# Altium PCB QCopterMV__Pcb.PcbDoc (continued)
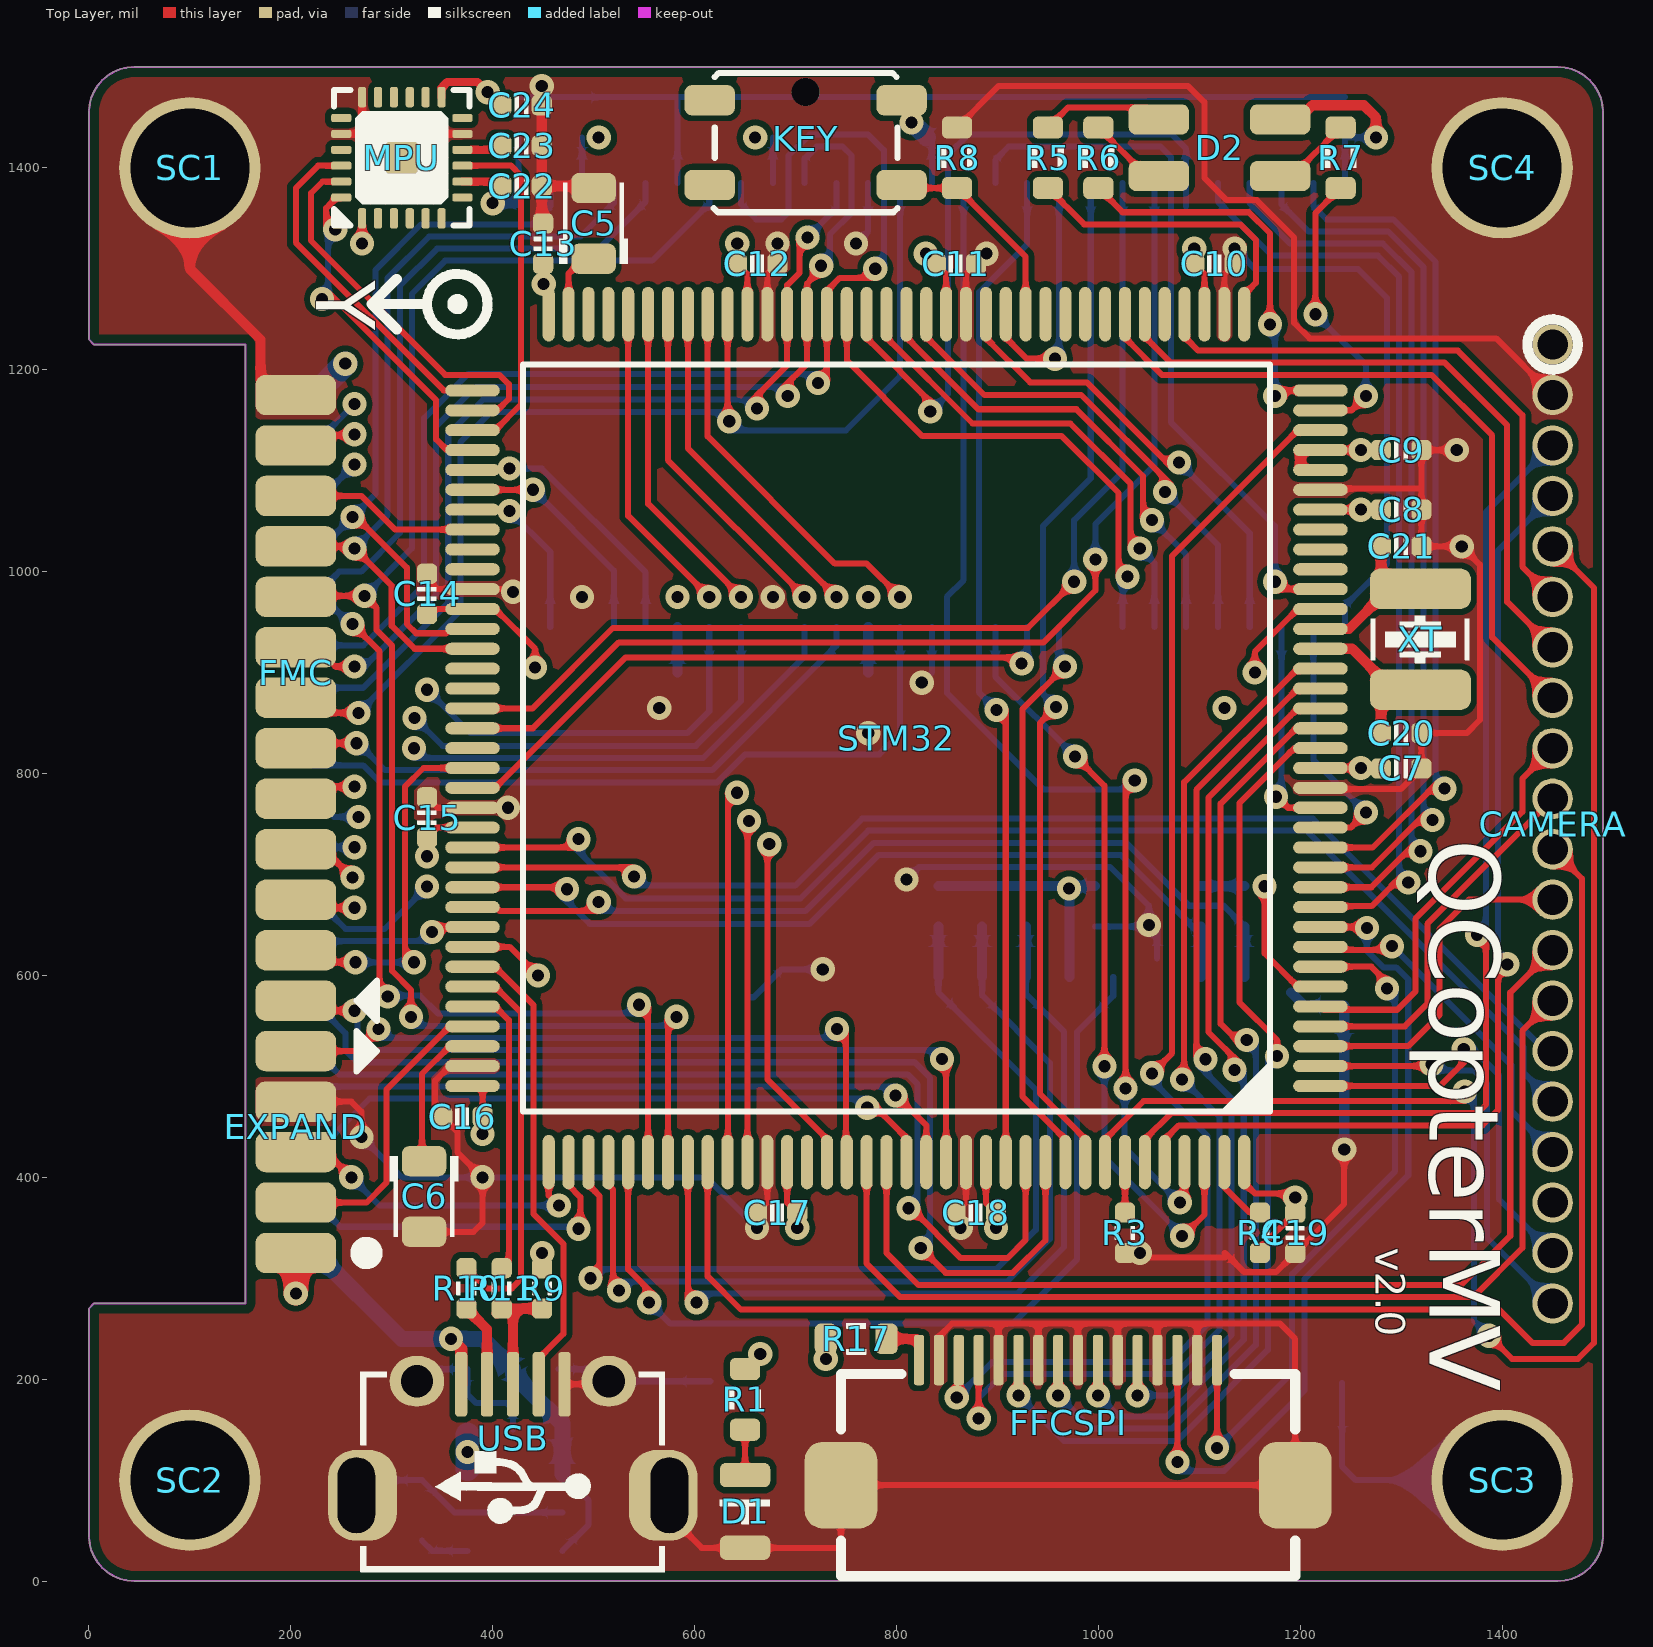
[diagram p0: Top Layer view]
## Footprints (in the part's own frame and the unit in brackets; to place one, negate y for a bottom-side part, rotate by r counter-clockwise, add the part's x,y. Pads: shape width x height; smd on the part's side, far side on the other; paste and mask are expansions set on the pad)
ButtonTACT_3.5*3.55_90 [mil]
  round 27.56 hole 27.56 mask+0: 0(0,50)
  rrect50% 50x30 smd: 1(-95,42) 2(-95,-42) 3(95,42) 4(95,-42)
  silkscreen extent -91,-69 91,69, body extent -90,-55 91,85, height 56
CAP_0402 [mil]
  rrect50% 20x20 smd: 1(-20,0) 2(20,0)
  silkscreen extent -7,-9 7,9, body extent -20,-10 20,10, height 20
CAP_0603 [mil]
  rrect50% 22x30 smd: 1(-30,0) 2(30,0)
  silkscreen extent -10,-15 10,15, body extent -31,-16 31,16, height 31
CAP_TAN_P0805 [mil]
  rrect50% 30x44 smd: 1(-35,0) 2(35,0)
  silkscreen extent -40,-34 40,34, body extent -40,-27 40,27, height 59
FFC_0.5_16 [mil]
  rrect50% 72x86 smd: 0(-225,-60) 0(225,-60)
  rrect50% 10x50 smd: 1(-147.64,64) 2(-127.95,64) 3(-108.27,64) 4(-88.58,64) 5(-68.9,64) 6(-49.21,64) 7(-29.53,64) 8(-9.84,64) 9(9.84,64) 10(29.53,64) 11(49.21,64) 12(68.9,64) 13(88.58,64) 14(108.27,64) 15(127.95,64) 16(147.64,64)
  silkscreen extent -225,-150 225,50, body extent -266,-155 266,55, height 82
HDR1X20_1.27_180F [mil]
  round 40 hole 30: 1(0,0) 2(0,-50) 3(0,-100) 4(0,-150) 5(0,-200) 6(0,-250) 7(0,-300) 8(0,-350) 9(0,-400) 10(0,-450) 11(0,-500) 12(0,-550) 13(0,-600) 14(0,-650) 15(0,-700) 16(0,-750) 17(0,-800) 18(0,-850) 19(-0.01,-900) 20(-0.01,-950)
  body extent -36,-983 35,33, height 134
HDR2X6_1.27_180HF [mil]
  rrect50% 80x40 smd: 1(0,0) 3(0,-50) 5(0,-100) 7(0,-150) 9(0,-200) 11(0,-250)
  rrect50% 80x40 smd far side: 2(0,0) 4(0,-50) 6(0,-100) 8(0,-150) 10(0,-200) 12(0,-250)
  body extent -28,-283 200,33, height 39
HDR2X12_1.27_180HF [mil]
  rrect50% 80x40 smd: 1(0,0) 3(0,-50) 5(0,-100) 7(0,-150) 9(0,-200) 11(0,-250) 13(0,-300) 15(0,-350) 17(0,-400) 19(0,-450) 21(0,-500) 23(0,-550)
  rrect50% 80x40 smd far side: 2(0,0) 4(0,-50) 6(0,-100) 8(0,-150) 10(0,-200) 12(0,-250) 14(0,-300) 16(0,-350) 18(0,-400) 20(0,-450) 22(0,-500) 24(0,-550)
  body extent -28,-583 200,33, height 39
LED_0805_ORANGE [mil]
  rrect50% 24x50 smd: 1(-36,0) 2(36,0)
  silkscreen extent -11,-25 12,24, body extent -40,-25 40,25, height 43
LED_3528_RGB [mil]
  rrect50% 60x30 smd: 1(-60,28) 2(60,28) 3(-60,-28) 4(60,-28)
  body extent -69,-55 69,55, height 75
LQFP_P0.5_144 [mil]
  oval 54x12 smd: 1(-420,344.49) 2(-420,324.8) 3(-420,305.12) 4(-420,285.43) 5(-420,265.75) 6(-420,246.06) 7(-420,226.38) 8(-420,206.69) 9(-420,187.01) 10(-420,167.32) 11(-420,147.64) 12(-420,127.95) 13(-420,108.27) 14(-420,88.58) 15(-420,68.9) 16(-420,49.21) 17(-420,29.53) 18(-420,9.84) 19(-420,-9.84) 20(-420,-29.53) 21(-420,-49.21) 22(-420,-68.9) 23(-420,-88.58) 24(-420,-108.27) 25(-420,-127.95) 26(-420,-147.64) 27(-420,-167.32) 28(-420,-187.01) 29(-420,-206.69) 30(-420,-226.38) 31(-420,-246.06) 32(-420,-265.75) 33(-420,-285.43) 34(-420,-305.12) 35(-420,-324.8) 36(-420,-344.49) 73(420,-344.49) 74(420,-324.8) 75(420,-305.12) 76(420,-285.43) 77(420,-265.75) 78(420,-246.06) 79(420,-226.38) 80(420,-206.69) 81(420,-187.01) 82(420,-167.32) 83(420,-147.64) 84(420,-127.95) 85(420,-108.27) 86(420,-88.58) 87(420,-68.9) 88(420,-49.21) 89(420,-29.53) 90(420,-9.84) 91(420,9.84) 92(420,29.53) 93(420,49.21) 94(420,68.9) 95(420,88.58) 96(420,108.27) 97(420,127.95) 98(420,147.64) 99(420,167.32) 100(420,187.01) 101(420,206.69) 102(420,226.38) 103(420,246.06) 104(420,265.75) 105(420,285.43) 106(420,305.12) 107(420,324.8) 108(420,344.49)
  oval 12x54 smd: 37(-344.49,-420) 38(-324.8,-420) 39(-305.12,-420) 40(-285.43,-420) 41(-265.75,-420) 42(-246.06,-420) 43(-226.38,-420) 44(-206.69,-420) 45(-187.01,-420) 46(-167.32,-420) 47(-147.64,-420) 48(-127.95,-420) 49(-108.27,-420) 50(-88.58,-420) 51(-68.9,-420) 52(-49.21,-420) 53(-29.53,-420) 54(-9.84,-420) 55(9.84,-420) 56(29.53,-420) 57(49.21,-420) 58(68.9,-420) 59(88.58,-420) 60(108.27,-420) 61(127.95,-420) 62(147.64,-420) 63(167.32,-420) 64(187.01,-420) 65(206.69,-420) 66(226.38,-420) 67(246.06,-420) 68(265.75,-420) 69(285.43,-420) 70(305.12,-420) 71(324.8,-420) 72(344.49,-420) 109(344.49,420) 110(324.8,420) 111(305.12,420) 112(285.43,420) 113(265.75,420) 114(246.06,420) 115(226.38,420) 116(206.69,420) 117(187.01,420) 118(167.32,420) 119(147.64,420) 120(127.95,420) 121(108.27,420) 122(88.58,420) 123(68.9,420) 124(49.21,420) 125(29.53,420) 126(9.84,420) 127(-9.84,420) 128(-29.53,420) 129(-49.21,420) 130(-68.9,420) 131(-88.58,420) 132(-108.27,420) 133(-127.95,420) 134(-147.64,420) 135(-167.32,420) 136(-187.01,420) 137(-206.69,420) 138(-226.38,420) 139(-246.06,420) 140(-265.75,420) 141(-285.43,420) 142(-305.12,420) 143(-324.8,420) 144(-344.49,420)
  silkscreen extent -370,-370 370,370, body extent -433,-433 433,433, height 63
QFN_P0.4_24 [mil]
  rrect20% 32x32 smd: 0(0,0)
  rrect50% 20x8 smd: 1(-60,39.37) 2(-60,23.62) 3(-60,7.87) 4(-60,-7.87) 5(-60,-23.62) 6(-60,-39.37) 13(60,-39.37) 14(60,-23.62) 15(60,-7.87) 16(60,7.87) 17(60,23.62) 18(60,39.37)
  rrect50% 8x20 smd: 7(-39.37,-60) 8(-23.62,-60) 9(-7.87,-60) 10(7.87,-60) 11(23.62,-60) 12(39.37,-60) 19(39.37,60) 20(23.62,60) 21(7.87,60) 22(-7.87,60) 23(-23.62,60) 24(-39.37,60)
  silkscreen extent -67,-67 67,67, body extent -60,-60 60,60, height 39
RES_0402 [mil]
  rrect50% 20x20 smd: 1(-20,0) 2(20,0)
  silkscreen extent -7,-10 7,10, body extent -20,-10 20,10, height 14
RES_0603 [mil]
  rrect50% 22x30 smd: 1(-30,0) 2(30,0)
  silkscreen extent -10,-16 10,16, body extent -31,-16 31,16, height 18
SCRREW_M3 [mil]
  round 140 hole 118 mask+0: 0(0,0)
SD_Card_TF [mil]
  rrect50% 48x86 smd: 0(-226,402) 0(400,402)
  rrect50% 62x56 smd: 0(-186,20)
  rrect50% 48x56 smd: 0(402,28)
  rrect50% 28x62 smd: 1(0,0) 2(43.31,0) 3(86.61,0) 4(129.92,0) 5(173.23,0) 6(216.54,0) 7(259.84,0) 8(303.15,0) 9(346.46,0)
  silkscreen extent -190,45 360,571, body extent -235,-27 407,572, height 79
SOT23-5 [mil]
  rrect50% 30x24 smd: 1(-47,38) 2(-47,0) 3(-47,-38) 4(47,-38) 5(47,38)
  silkscreen extent -21,-53 21,53, body extent -55,-57 55,57, height 57
TSOP_E400_P0.8_54 [mil]
  oval 54x12 smd: 1(-220,409.45) 2(-220,377.95) 3(-220,346.46) 4(-220,314.96) 5(-220,283.46) 6(-220,251.97) 7(-220,220.47) 8(-220,188.98) 9(-220,157.48) 10(-220,125.98) 11(-220,94.49) 12(-220,62.99) 13(-220,31.5) 14(-220,0) 15(-220,-31.5) 16(-220,-62.99) 17(-220,-94.49) 18(-220,-125.98) 19(-220,-157.48) 20(-220,-188.98) 21(-220,-220.47) 22(-220,-251.97) 23(-220,-283.47) 24(-220,-314.96) 25(-220,-346.46) 26(-220,-377.95) 27(-220,-409.45) 28(220,-409.45) 29(220,-377.95) 30(220,-346.46) 31(220,-314.96) 32(220,-283.47) 33(220,-251.97) 34(220,-220.47) 35(220,-188.98) 36(220,-157.48) 37(220,-125.98) 38(220,-94.49) 39(220,-62.99) 40(220,-31.5) 41(220,0) 42(220,31.5) 43(220,62.99) 44(220,94.49) 45(220,125.98) 46(220,157.48) 47(220,188.98) 48(220,220.47) 49(220,251.97) 50(220,283.46) 51(220,314.96) 52(220,346.46) 53(220,377.95) 54(220,409.45)
  silkscreen extent -174,-441 174,441, body extent -231,-438 231,437, height 51
USB_Micro-AB [mil]
  rrect80% 68x90 hole 37 slot 75 at 90 deg copper offset 6,0 mask+0: 0(-155,10)
  oval 54x50 hole 32 mask+0: 0(-95,-103) 0(95,-103)
  rrect80% 68x90 hole 37 slot 75 at 90 deg copper offset -6,0 mask+0: 0(155,10)
  rrect50% 12x64 smd: 1(51.18,-100) 2(25.59,-100) 3(0,-100) 4(-25.59,-100) 5(-51.18,-100)
  silkscreen extent -150,-113 150,86, body extent -161,-109 161,104, height 108
XT_3225_2 [mil]
  rrect50% 40x100 smd: 1(-50,0) 2(50,0)
  silkscreen extent -24,-49 24,49, body extent -63,-49 63,49, height 41

## Part data
C1 C2 C3 C4 C5 C6 C7 C8 C9 C10 C11 C12 C13 C14 C15 C16 C17 C18 C19 C20 C21 C22 C23 C24 C25 C26 C27 C28 C29 C30 C31 C32: "Capacitor"
CAMERA EXPAND FMC: "Header"
D1 D2: "LED"
FFCSPI: "FFC"
ISSI: library part IS42S16400, "SDRAM"
KEY: "Button"
MPU: "Sensor Motion"
R1 R2 R3 R4 R5 R6 R7 R8 R9 R10 R11 R12 R13 R14 R15 R16 R17: "Resistor"
RT: library part SP6205, "Power"
SC1 SC2 SC3 SC4: library part Screw_M3, "Screw"
SD: "SD"
STM32: library part STM32F439Z, "MCU"
USB: "USB"
XT: "Crystal Oscillator"

## Via types
v1: diameter 24, hole 12, Top Layer to Bottom Layer, 175 vias
v2: diameter 24, hole 12, Top Layer to Bottom Layer, tented both sides, 4 vias

## Nets (pads, with @x,y where several pads share a name; then routed paths per layer and width w, separated by ;. In a path a pad name is that pad's centre, name@x,y a point inside that pad or via, vN(x,y) a via of type N, cw(c..) or ccw(c..) an arc to the next point about the centre after c; other vN are vias at no path point)
3V3: C4.2 C7.2 C8.2 C9.2 C10.2 C11.2 C12.2 C13.2 C14.2 C15.2 C16.2 C17.2 C18.2 C19.2 C22.2 C24.1 C25.2 C26.2 C27.2 C28.2 C29.2 C30.2 C31.2 C32.2 CAMERA.1 D2.2 EXPAND.1 FMC.24 ISSI.1 ISSI.3 ISSI.9 ISSI.14 ISSI.27 ISSI.43 ISSI.49 KEY.3 MPU.1 MPU.8 MPU.13 R1.2 R2.1 R4.1 R9.2 R12.1 R13.1 R14.1 R15.1 R16.1 R17.1 RT.5 SD.4 STM32.6 STM32.17 STM32.30 STM32.32 STM32.33 STM32.39 STM32.52 STM32.62 STM32.72 STM32.84 STM32.95 STM32.108 STM32.121 STM32.131 STM32.144 | length 8883.6
  Top Layer w6: C15.2 345,746.42 STM32.95 ; C14.2@335,952.95 345,962.95 STM32.84 402.53,962.95 442,923.48 v1(442,904.95) ; STM32.108 389.49,490.51 390,490 C16.2 ; C12.2 652.36,1294.69 STM32.62 ; STM32.121 691.73,375 C17.2 ; v1@829.09,1314.8 C11.2 849.21,1294.69 STM32.52 ; STM32.131 888.58,375 C18.2 ; C10.2 1105.12,1294.88 STM32.39 ; STM32.144 1144.49,394.51 1155,384 1191,384 v1(1195,380) C19.2 1160,330 R4.1 ; v1(1164.69,688.39) 1164.69,621.72 1197.47,588.94 STM32.6 ; STM32.17 v1(1260,805.47) 1269.53,805.47 C7.2@1270,805 ; STM32.30 v1(1260,1061.38) ; STM32.33 v1(1260,1120.43)
  Top Layer w8: v1(270.63,1325) MPU.1 ; MPU.13 349.37,1479.37 355,1485 385,1485 v1(395,1475) ; MPU.8 C22.2@408.62,1386.38
  Top Layer w10: D2.2 1198,1448 1212,1462 1263,1462 1275,1450 v1(1275,1430) ; STM32.32 1200,1100.75 1200,1120.43 STM32.33
  Top Layer w24: v1(205,285) EXPAND.1
  Signal Layer 1 w6: v1(335,718) 419.61,633.39 500,633.39 ; v1(449,325) 418,356 418,412 390,440 500,550 500,633.39 ; 898.58,280 1095,280 v1(1195,380) ; v1(971,686) 918.39,633.39 500,633.39
  Signal Layer 1 w10: v1(205,285) 205,250 327,128 v1(375,128) 415,168 415,291 v1(449,325) ; v1@254,1207 254,1308.37 v1(270.63,1325) ; v1@442,905 513.03,905 v1(583.03,975) 583.03,997.99 ; v1(642.24,1325) 659.24,1342 659.24,1429.24 v1(660,1430) ; v1(665,225) 688.27,248.27 701.73,248.27 ; v1(701.73,350) 701.73,248.27 ; v1(772.01,975) 772.01,982.99 755,1000 583.03,1000 450.51,1132.52 v1(450.51,1285) 450.51,1314.49 v1(400,1365) 370,1335 280.63,1335 v1(270.63,1325) ; v1(898.58,350) 898.58,280 838.58,220 v1(730,220) 701.73,248.27 ; v1(971,686) v1@1164.69,686 ; v1(1095,1320) 1055,1280 864.09,1280 v1(829.09,1315) 829.09,1430.91 v1(815,1445) ; v1@1120,860 1260,860 ; v1(1195,380) 1211,396 1211,642.07 v1(1164.69,688.39) 1220,743.7 1220,765.47 v1(1260,805.47) 1260,860 ; CAMERA.1 1355,1225 ; v1(270.63,1325) 267,1328.63 267,1399.53 270.63,1403.16 270.63,1416.84 267,1420.47 267,1452 290,1475 v1(395,1475) 440,1430 v1(505,1430) v1(660,1430) ; v1(660,1430) 675,1445 v1(815,1445) ; v1(815,1445) 1260,1445 v1(1275,1430) 1275,1305 1355,1225 ; 1260,860 v1(1260,1061.38) v1(1260,1120.43) 1260,1130 1355,1225
  Bottom Layer w6: ISSI.1 C26.2 ; ISSI.3 C27.2 ; ISSI.9 C28.2 ; ISSI.14 C29.2 ; ISSI.27 C30.2 v1(1275,1430)
  Bottom Layer w10: v1(400,1365) 425.55,1365 ISSI.1 ; C31.2 ISSI.49 ; C32.2 ISSI.43 ; R12.1 971,688.39 v1@971.46,688.39 ; SD.4 v1@971.46,688.39 ; C25.2 v1@971.46,688.39 ; R15.1 R16.1
  Bottom Layer w18: v1(815,1445) C29.2@830,1430
  Bottom Layer w24: FMC.24@195,1175 223,1175 v1(254,1206) ; RT.5@375,111 v1(375,128) C4.2@375,145
  other v1: 390,443 1125,865
BOOT0: R3.2 STM32.138 | length 50
  Top Layer w6: R3.2 STM32.138
CAM_D0: CAMERA.16 STM32.96 | length 1263.2
  Top Layer w6: STM32.96@371,726.73 STM32.96 v1@485,726.73
  Bottom Layer w6: v1@477,731 531.68,676.32 704.89,676.32 771.96,743.39 1206.61,743.39 1421,529 1421,504 CAMERA.16
  other v1: 485,735
CAM_D1: CAMERA.15 STM32.97 | length 1190.9
  Top Layer w6: STM32.97 v1@540,707.05
  Bottom Layer w6: v1@540,689 699.64,689 766.03,755.39 1212.61,755.39 CAMERA.15@1446.5,521.5
  other v1: 540,698
CAM_D2: CAMERA.14 STM32.125 | length 1041.3
  Top Layer w6: STM32.125 770.47,314.53 803.68,281.32 1371.32,281.32 1420,330 1420,545 CAMERA.14
CAM_D3: CAMERA.13 STM32.126 | length 1041.6
  Top Layer w6: STM32.126 790.16,324.84 821.68,293.32 1359.32,293.32 1408,342 1408,583 CAMERA.13
CAM_D4: CAMERA.12 STM32.3 | length 339.9
  Top Layer w6: STM32.3 1306.88,529.88 1338,561 1338,646.03 1366.97,675 CAMERA.12
CAM_D5: CAMERA.11 STM32.117 | length 1496.8
  Top Layer w6: STM32.117 612.99,302.01 646,269 1397,269 1430,236 1461,236 1479,254 1479,696 CAMERA.11
CAM_D6: CAMERA.10 STM32.4 | length 369.7
  Top Layer w6: STM32.4 1303.57,549.57 1326,572 1326,651 CAMERA.10
CAM_D7: CAMERA.9 STM32.5 | length 400.1
  Top Layer w6: STM32.5 1223.25,566 1296,566 1314,584 1314,655.97 1420,761.97 1420,795 CAMERA.9
CAM_HSYN: CAMERA.6 STM32.40 | length 581.6
  Top Layer w6: STM32.40 1085.43,1232.47 1098.9,1219 1356,1219 1420,1155 1420,1005 CAMERA.6
CAM_IO1: CAMERA.17 STM32.8 | length 338.4
  Top Layer w6: STM32.8@1223.98,625.32 1287.32,625.32 v1(1291,629)
  Bottom Layer w6: v1(1291,629) 1409,511 1409,466 CAMERA.17
CAM_IO3: CAMERA.19 STM32.1 | length 404.2
  Top Layer w6: STM32.1 1338.81,490.51 v1@1369.15,520.85
  Bottom Layer w6: v1@1365.5,532.5 1397,501 1397,378 CAMERA.19
  other v1: 1362,527
CAM_IO4: CAMERA.20 STM32.2 | length 417.6
  Top Layer w6: STM32.2 v1@1330,510.2
  Bottom Layer w6: v1(1330,512) 1336,506 1371.7,506 1385,492.7 1385,340 CAMERA.20
CAM_PCLK: CAMERA.7 STM32.42 | length 656.3
  Top Layer w6: STM32.42 1046.06,1232.47 1071.53,1207 1343,1207 1405,1145 1405,970 CAMERA.7
CAM_SCL: CAMERA.3 STM32.139 | length 1055.1
  Top Layer w6: STM32.139 1046.06,437.53 1072.05,463.51 1375.51,463.51 1384,472 v1@1384,640
  Bottom Layer w6: v1@1383.89,640 1383.89,1058.89 CAMERA.3
  other v1: 1375,640.34
CAM_SDA: CAMERA.4 STM32.140 | length 995.3
  Top Layer w6: STM32.140 1065.75,437.53 1079.73,451.51 1380.48,451.51 1396,467.03 v1@1396,611
  Bottom Layer w6: v1@1396,611 1396,1021 CAMERA.4
  other v1: 1405,611
CAM_VSYN: CAMERA.5 STM32.137 | length 1568.9
  Top Layer w6: STM32.137 1006.69,437.53 1044.68,475.51 v1@1363,475.51 ; v1(1387,243) 1410,220 1475,220 1491,236 1491,984 CAMERA.5
  Bottom Layer w6: v1@1372,485 1372,258 v1(1387,243)
  other v1: 1363,485
CAM_XCLK: CAMERA.8 STM32.43 | length 711.9
  Top Layer w6: STM32.43 1026.38,1231.62 1063,1195 1330,1195 1390,1135 1390,935 CAMERA.8
EXP_IO1: EXPAND.4 STM32.110 | length 352.5
  Top Layer w6: STM32.110 475.2,392.01 486.89,380.32 v1@486.89,357.32
  Bottom Layer w6: EXPAND.4 225,375 249,351 v1@485,351
  other v1: 485,349
EXP_IO2: EXPAND.6 STM32.127 | length 662.3
  Top Layer w6: v1@772,469 780,469 809.84,439.16 STM32.127
  Bottom Layer w6: EXPAND.6 225,425 278,478 v1@771,478
  other v1: 771,469
EXP_IO3: EXPAND.8 STM32.128 | length 672.2
  Top Layer w6: v1@800,481 829.53,451.47 STM32.128
  Bottom Layer w6: EXPAND.8@205,490 v1@799,490
  other v1: 799,481
EXP_IO4: EXPAND.10 STM32.133 | length 969
  Top Layer w6: v1@815.72,368.15 863.87,320 910,320 927.95,337.95 STM32.133
  Bottom Layer w6: EXPAND.10 225,525 248,502 811,502 820.89,492.11 v1@820.89,369.32
  other v1: 811.89,369.32
EXP_IO5: EXPAND.12 STM32.134 | length 1063
  Top Layer w6: v1(824,330) 848.68,305.32 915.32,305.32 947.64,337.64 STM32.134
  Bottom Layer w6: EXPAND.12 221.87,575 254,542.87 254,526 266,514 818,514 833,499 v1@833,330
EXP_RX: EXPAND.9 STM32.124 | length 677.1
  Top Layer w6: EXPAND.9 265,525 v1(287,547) ; STM32.124@749.79,415 v1@749.79,547
  Bottom Layer w6: v1@287,538 v1@741,538
  other v1: 741,547
EXP_TX: EXPAND.11 STM32.129 | length 764
  Top Layer w6: EXPAND.11@208,565 v1(263,565) ; STM32.129 v1@849.21,513.21
  Bottom Layer w6: v1@266,565 266,538.3 278.3,526 v1@845,526
  other v1: 845.21,517.21
FFC_CS: FFCSPI.6 STM32.18 | length 997.9
  Top Layer w6: v1(920.79,184) FFCSPI.6 ; v1(1177,520) 1177,536 1140,573 1140,771 1194.16,825.16 STM32.18
  Bottom Layer w6: v1(920.79,184) 965.79,139 1078,139 1168,229 v1@1168,520
FFC_IO1: FFCSPI.3 STM32.34 | length 1294.5
  Top Layer w6: v1@861.73,184 FFCSPI.3 ; v1(1053,503) 1073,523 1073,1015.65 1197.47,1140.12 STM32.34
  Bottom Layer w6: v1@861.73,184 894.73,217 1071,217 1108,254 1108,441 v1@1053,496
  other v1: 859.73,182
FFC_IO2: FFCSPI.4 STM32.22 | length 1078.8
  Top Layer w6: v1@881.42,164 FFCSPI.4 ; v1@1085,498.12 1085,791.43 1197.47,903.9 STM32.22 ; v1@1086.88,497 v1@1088,498.12
  Bottom Layer w6: v1@881.42,164 881.42,181.42 905,205 1075.97,205 1120,249.03 1120,460 v1(1083,497)
  other v1: 881.42,161
FFC_IO3: FFCSPI.14 STM32.9 | length 833.1
  Top Layer w6: v1@1078.27,119 FFCSPI.14 ; STM32.9 v1@1269.68,647.99
  Bottom Layer w6: v1@1079,109 1124.34,109 1204,188.67 1204,299 1307,402 1307,596 1295,608 1282.3,608 1266,624.3 v1(1266,647)
  other v1: 1078.27,118
FFC_IO4: FFCSPI.16 STM32.7 | length 687.9
  Top Layer w6: v1@1117.64,134 FFCSPI.16 ; STM32.7 1270.38,608.62 v1@1287,592
  Bottom Layer w6: v1(1117.64,132) 1192,206.36 1192,303.97 1294,405.97 v1@1294,588
  other v1: 1286,587
FFC_SCK: FFCSPI.8 STM32.19 | length 962.7
  Top Layer w6: v1(960.16,184) FFCSPI.8 ; v1@1145,528 1121.06,551.94 1121.06,770.03 1195.87,844.84 STM32.19
  Bottom Layer w6: v1(960.16,184) 993.16,151 1072.88,151 1156,234.12 v1@1156,536
  other v1: 1147,536
FFC_SDI: FFCSPI.12 STM32.21 | length 862
  Top Layer w6: v1(1038.9,184) FFCSPI.12 ; v1@1097.06,519.94 1097.06,783.8 1197.47,884.21 STM32.21
  Bottom Layer w6: v1(1038.9,184) 1071.94,184 1132,244.06 1132,478 v1@1099,511
  other v1: 1106,517
FFC_SDO: FFCSPI.10 STM32.20 | length 909.1
  Top Layer w6: v1(999.53,184) FFCSPI.10 ; v1@1140,513 1109.06,543.94 1109.06,776.12 1197.47,864.53 STM32.20
  Bottom Layer w6: v1(999.53,184) 1020.53,163 1067.91,163 1144,239.09 v1@1144,505
  other v1: 1134.89,506.47
GND: C1.1 C2.1 C3.2 C4.1 C5.2 C6.2 C7.1 C8.1 C9.1 C10.1 C11.1 C12.1 C13.1 C14.1 C15.1 C16.1 C17.1 C18.1 C19.1 C20.1 C21.1 C22.1 C23.1 C24.2 C25.1 C26.1 C27.1 C28.1 C29.1 C30.1 C31.1 C32.1 CAMERA.2 D1.2 EXPAND.7 FFCSPI.0 FFCSPI.2 FFCSPI.5 FFCSPI.7 FFCSPI.9 FFCSPI.11 FFCSPI.13 FFCSPI.15 FMC.23 ISSI.6 ISSI.12 ISSI.28 ISSI.41 ISSI.46 ISSI.52 ISSI.54 KEY.0 MPU.0 MPU.11 MPU.18 MPU.20 R3.1 R8.1 RT.2 SC1.0 SC2.0 SC3.0 SC4.0 SD.0 SD.6 SD.9 STM32.16 STM32.31 STM32.38 STM32.51 STM32.61 STM32.83 STM32.94 STM32.107 STM32.120 STM32.130 USB.0 USB.5 | length 16141.9
  Top Layer w6: EXPAND.7 260,475 270,465 v1(270,440) ; C6.2 381,346 390,355 v1(390,400) 365,425 365,445 C16.1 343,467 343,495.73 357.47,510.2 STM32.107 ; C15.1 345.32,766.1 STM32.94 ; C14.1@335,992.95 345.32,982.64 STM32.83 v1@422.64,982.64 ; USB.5 512,195 USB.0@515,198 ; USB.0@575,85 575,65 607,33 D1.2 745,33 745,95 1195,95 1195,240 1180,255 1097.95,255 ; C17.1 672.05,375.31 STM32.120 ; STM32.61 672.05,1295 C12.1 ; FFCSPI.2 842.05,242.05 855,255 901.1,255 ; C18.1 868.9,375.31 STM32.130 ; R8.1 901,1481 1089,1481 1105,1465 1105,1390 1127,1368 1157,1368 1194,1331 1194,1246.3 1209.3,1231 1394,1231 CAMERA.2 ; STM32.51 868.9,1295 C11.1 ; FFCSPI.5 901.1,255 ; FFCSPI.7 940.47,255 ; FFCSPI.9 979.84,255 ; FFCSPI.11 1019.21,255 ; v1(1041.38,325) 1045.99,320.38 1125.54,320.38 ; FFCSPI.13 1058.58,255 ; FFCSPI.15 1097.95,255 ; STM32.38 1124.8,1294.8 C10.1 ; 1125,325 1125.54,325 1144.54,306 1176,306 C19.1 1243.54,373.54 v1(1243.54,427.54) ; STM32.16 1221.32,784.47 1299.47,784.47 C7.1 C20.1 1365,840 1378,853 1378,1007 v1(1360,1025) C21.1 ; STM32.31@1221.32,1082.38 1320,1082.38 C9.1 v1(1355,1120.43) ; C21.1@1320,1030 C8.1 1320,1081.06 ; 901.1,255 940.47,255 ; 940.47,255 979.84,255 ; 979.84,255 1019.21,255 ; 1019.21,255 1058.58,255 ; 1058.58,255 1097.95,255
  Top Layer w8: MPU.20 270.63,1433.62 ; MPU.18 270.63,1433.62 ; MPU.11 333.62,1433.62 v2(330,1430) MPU.0 v2(290,1430) 286.38,1433.62 270.63,1433.62
  Top Layer w10: SC1.0 100,1300 170,1230 170,1190 185,1175 FMC.23@195,1175 ; C13.1@448.62,1345 C22.1 ; C24.2 C22.1 ; C5.2@500,1382 C22.1
  Signal Layer 2 w6: v1@420,766.1 v1(420,980) 483.54,980 v1(488.54,975) 509.54,996 656.52,996 v1(677.52,975) 750,1047.48 750,1210 682.24,1277.76 v1(682.24,1325) 682.24,1482 ; USB.0@515,198 585,198 ; v1(661.73,350) 661.73,274.73 585,198 ; v1(760,1325) 760,1475 ; v1(863.58,350) 863.58,243.58 ; v1(889.09,1315) 905.09,1299 1114,1299 v1(1135,1320) 1135,1475 ; v1(1041.38,325) 1041.38,261.38 1023.58,243.58 863.58,243.58 ; 585,198 818,198 863.58,243.58
  Signal Layer 2 w10: SC1.0 180,1480 240,1480 v2(290,1430) 310,1410 ; v1(565,865) 637.48,937.48 677.52,937.48 ; v1(661.73,350) 661.73,540.73 v1(727,606) 756,606 810,660 v1(810,695) 772.01,732.99 v1(772.01,840) ; v1(677.52,975) 677.52,937.48 ; v1@823.5,891.5 773.5,841.5 677.52,937.48 ; v1(1360,1025) 1360,1135 1400,1175 CAMERA.2
  Signal Layer 2 w12: SC2.0 245,100 USB.0@260,85 ; 310,1410 376.62,1410 448.62,1482 682.24,1482 703,1482 KEY.0 760,1475 1135,1475 1325,1475 SC4.0 1400,1175 ; USB.0@320,198 260,138 USB.0@260,85 ; USB.0@512.5,195.5 570,138 USB.0@570,85 ; CAMERA.2 1450,1170.25 1482,1138.25 1482,182 SC3.0 1385,85 575,85 USB.0@570,85 ; USB.0@260,85 265,85 USB.0@570,85
  Bottom Layer w6: USB.0@265,85 280,100 C3.2 362,68 RT.2 ; v1(270,440) 310,400 v1(390,400) 611.73,400 v1(661.73,350) ; USB.0@325,198 337,210 C4.1 375,185 383.75,176.25 413.75,176.25 420,170 C1.1 ; C26.1 C27.1 583.03,1470 ; C2.1 503,210 515,198 SD.0@615.54,198 ; ISSI.6 583.03,1470 ; SD.0@655.54,578.39 658.54,578.39 686.15,606 v1(727,606) ; v1(760,1325) 772.01,1337.01 ISSI.12 ; v1(810,695) 822.39,707.39 1011.61,707.39 1050,669 v1(1050,650) 1058.07,641.93 SD.6@1058.07,616.93 ; v1(825,890) 835,900 ISSI.41 ; C25.1 v1@1050,648.39 ; v1(1135,1320) 1155,1300 1257,1300 1286,1271 1286,1008 1244.45,966.45 ISSI.28 ; SD.0@1241.54,196.39 1241.54,113.46 1255,100 SC3.0 ; C30.1 772.01,1470 583.03,1470
  Bottom Layer w10: SD.9@1191.01,582.99 1203.61,570.39 1243.54,570.39 v1(1243.54,427.54)
  other v1: 415,766.1 448.62,1481
  other v2: 290,1390 330,1390
IMU_CS: MPU.22 STM32.73 | length 343.9
  Top Layer w6: MPU.22 227.13,1402.13 205,1380 205,1325.91 351.42,1179.49 STM32.73
IMU_SCK: MPU.23 STM32.74 | length 392.1
  Top Layer w6: MPU.23 231.38,1386.38 220,1375 220,1327.88 352.88,1195 406.7,1195 416,1185.7 416,1171 404.8,1159.8 STM32.74
IMU_SDI: MPU.24 STM32.76 | length 343.1
  Top Layer w6: v1@235,1340 235,1360 245.63,1370.63 MPU.24 ; v1@237.97,1275.97 344,1169.94 344,1131 354.57,1120.43 STM32.76
  Bottom Layer w6: v1(231,1270) 237,1276 237,1332 v1(244,1339)
IMU_SDO: MPU.9 STM32.75 | length 347.4
  Top Layer w6: MPU.9 418.29,1402.13 428,1392.42 428,1165.59 402.53,1140.12 STM32.75
KEY: KEY.4 R8.2 STM32.48 | length 213.2
  Top Layer w6: KEY.4@807,1380 R8.2 927.95,1312.05 STM32.48 STM32.48@927.95,1247.95
LCD_CS: FMC.20 STM32.123 | length 997.2
  Top Layer w6: v1@672.05,731 672.05,497.17 731.1,438.12 STM32.123
  Signal Layer 1 w6: v1(263,1106) 325,1044 325,941.06 518.06,748 628,748 646,730 v1(674,730)
  Bottom Layer w6: FMC.20@242,1085 v1(263,1106)
LCD_D0: FMC.18 ISSI.2 STM32.85 | length 727.8
  Top Layer w6: v1@263,1056 315,1004 315,948.15 324.2,938.95 353.95,938.95 358.27,943.27 STM32.85
  Bottom Layer w6: FMC.18@221.87,1025 232,1025 v1(261,1054) 284,1077 284,1299 329,1344 439,1344 457.05,1362.05 ISSI.2
LCD_D1: FMC.17 ISSI.4 STM32.86 | length 776.6
  Top Layer w6: FMC.17@225,1025 261,1025 v1(263,1023) 300,986 300,946.18 322.6,923.58 STM32.86
  Bottom Layer w6: v1(263,1023) 296,1056 296,1290.94 337.06,1332 487,1332 520.04,1365.04 ISSI.4
LCD_D2: FMC.16 ISSI.5 STM32.114 | length 1507.6
  Top Layer w6: v1(261,948) 288,921 v1@288,580 ; STM32.114 v1@553.94,571
  Bottom Layer w6: FMC.16 FMC.16@231.7,975 ; v1(261,948) 258.7,948 FMC.16@231.7,975 ; v1@296,580 328,580 345.68,562.32 v1@545,562.32 ; ISSI.5 551.54,1366.54 505,1320 345,1320 308,1283 308,1038.3 269.7,1000 248,1000 231.7,983.7 FMC.16@231.7,975
  other v1: 545,571 296,579
LCD_D3: FMC.15 ISSI.7 STM32.115 | length 1581.6
  Top Layer w6: FMC.15@196,976 v1@263,976 ; v1(273,976) 285,964 285,942 300.29,926.71 300.29,604.41 319,585.7 v1(319,559) ; STM32.115 v1@573.62,559
  Bottom Layer w6: v1(273,976) 320,1023 320,1275 353,1308 558,1308 614.53,1364.53 ISSI.7 ; v1@319,550 v1@583,550
  other v1: 582,559
LCD_D4: FMC.14 ISSI.8 STM32.58 | length 1194.8
  Top Layer w6: v1@731.1,1187.71 STM32.58 731.1,1278.1 744,1291 v1@780,1291
  Bottom Layer w6: FMC.14@242,925 244,927 272,927 332,987 332,1152 376,1196 v1@723,1196 ; ISSI.8 646.02,1363.98 661,1349 686,1349 693,1356 693,1412 714,1433 772,1433 787.5,1417.5 v1@787.5,1300
  other v1: 722.36,1187 779,1300
LCD_D5: FMC.13 ISSI.10 STM32.59 | length 1047.3
  Top Layer w6: FMC.13 225,925 244,906 v1(263,906) ; v1@686.33,1181.03 711.42,1206.12 STM32.59 711.42,1285.42 726.42,1300.42 v1@726.42,1310
  Bottom Layer w6: v1@268,901 344,977 344,1144 383.03,1183.03 v1@692,1183.03 ; ISSI.10 709.02,1409.02 721,1421 746.73,1421 755.51,1412.21 755.51,1355.51 734,1334 v1@734,1303
  other v1: 692.33,1174.03 725.42,1303
LCD_D6: FMC.12 ISSI.11 STM32.60 | length 924.4
  Top Layer w6: v1@655.86,1168.5 691.73,1204.38 STM32.60 691.73,1283.73 704,1296 v1@704,1330
  Bottom Layer w6: FMC.12 235,875 245,885 271.7,885 356,969.3 356,1136 390.5,1170.5 v1@662,1170.5 ; v1(711.73,1331) 740.51,1359.78 ISSI.11
  other v1: 661.86,1161.5
LCD_D7: FMC.11 ISSI.13 STM32.63 | length 1145.2
  Top Layer w6: FMC.11 220,860 v1(267,860) ; v1@632.68,1148.97 STM32.63
  Bottom Layer w6: v1(267,860) 368,961 368,1128 397.97,1157.97 v1@634.53,1157.97 ; v1@635,1140 750,1140 803.5,1193.5 ISSI.13
  other v1: 634.38,1148.97
LCD_D8: FMC.10 ISSI.42 STM32.64 | length 1136.3
  Top Layer w6: STM32.64 612.99,1134.02 739.01,1008 770.5,1008 v1(803.5,975)
  Bottom Layer w6: FMC.10@226,825 FMC.10 222,808 271.7,808 288.38,791.32 622.32,791.32 650,819 783,819 803.5,839.5 ISSI.42
LCD_D9: FMC.9 ISSI.44 STM32.65 | length 959.1
  Top Layer w6: FMC.9 210,830 v1(265,830) ; STM32.65 593.31,1122.21 v1(740.51,975)
  Bottom Layer w6: v1(265,830) 266.67,830 293.35,803.32 617.35,803.32 740.51,926.48 ISSI.44
LCD_D10: FMC.8 ISSI.45 STM32.66 | length 963.9
  Top Layer w6: STM32.66 573.62,1110.39 v1(709.02,975)
  Signal Layer 1 w6: v1@267,761.3 v1(267,757) v1@329,819 ; v1@325,819.3 v1@325,828
  Bottom Layer w6: FMC.8 219,761 239,761 243,757 v1(267,757) ; v1@322,815.32 608.32,815.32 709.02,916.02 ISSI.45
  other v1: 322,825
LCD_D11: FMC.7 ISSI.47 STM32.67 | length 891.8
  Top Layer w6: FMC.7 217,787 v1(263,787) ; STM32.67 553.94,1067.09 v1(646.02,975)
  Signal Layer 1 w6: v1@263,796.43 v1@322.57,856
  Bottom Layer w6: v1(322.57,855) 350.25,827.32 601.32,827.32 646.02,872.02 ISSI.47
LCD_D12: FMC.6 ISSI.48 STM32.68 | length 954.4
  Top Layer w6: STM32.68 534.25,1055.28 v1(614.53,975)
  Signal Layer 1 w6: v1(263,727) 266.7,727 344,804.3 v1@344,884
  Bottom Layer w6: FMC.6 207,727 v1(263,727) ; v1(335,883) 378,840 592.83,840 614.53,861.7 ISSI.48
LCD_D13: FMC.5 ISSI.50 STM32.77 | length 775.1
  Top Layer w6: FMC.5 233,725 v1(261,697)
  Signal Layer 2 w6: v1@267,691 365,789 365,1055.16 411.9,1102.06 v1(416.57,1102.06)
  Bottom Layer w6: v1(416.57,1102.06) 448.7,1102.06 551.54,999.23 ISSI.50
LCD_D14: FMC.4 ISSI.51 STM32.78 | length 844.4
  Top Layer w6: STM32.78 v1(440,1081.06)
  Signal Layer 2 w6: v1(335,688) 377,730 377,1050.19 407.87,1081.06 425.27,1081.06 v1(440,1081.06)
  Bottom Layer w6: FMC.4 226,675 242,659 242,658.3 254.3,646 293,646 v1(335,688) ; v1(440,1081.06) 520.04,1001.02 ISSI.51
LCD_D15: FMC.3 ISSI.53 STM32.79 | length 697.3
  Top Layer w6: FMC.3 213,667 v1(263,667)
  Signal Layer 2 w6: v1(263,667) 344,667 389,712 389,1032.49 v1(416.57,1060.06)
  Bottom Layer w6: v1(416.57,1060.06) 457.05,1019.59 ISSI.53
LCD_LIG: FMC.2 STM32.100 | length 187.9
  Top Layer w6: v1(340,642.99) 345,647.99 STM32.100
  Bottom Layer w6: FMC.2 214,634 v1@340,634 ; v1(340,642.99) v1@345,647.99
LCD_RD: FMC.22 STM32.118 | length 1027.6
  Top Layer w6: STM32.118@633,415 v1@633,781
  Signal Layer 1 w6: v1(263,1166) 350,1079 350,950 528,772 v1@642,772
  Bottom Layer w6: FMC.22@232,1135 v1(263,1166)
  other v1: 642,781
LCD_RS: FMC.19 STM32.80 | length 188.8
  Top Layer w6: FMC.19 270,1075 303.31,1041.69 STM32.80
LCD_RST: FMC.1 STM32.92 | length 370.6
  Top Layer w6: FMC.1 217,613 v1(264,613) ; v1@313,613 313,787 331.47,805.47 STM32.92
  Bottom Layer w6: v1(264,613) v1(322,613)
LCD_WR: FMC.21 STM32.119 | length 1009.7
  Top Layer w6: FMC.21@205,1135 v1@262,1135 ; STM32.119 v1@652.36,753
  Signal Layer 1 w6: v1(263,1136) 337,1062 337,946.03 523.03,760 v1@654,760
  other v1: 654,753
LED_B: R5.2 STM32.37 | length 305.7
  Top Layer w6: R5.2 986,1344 1140.7,1344 1156,1328.7 1156,1286 1144.49,1274.49 STM32.37
LED_G: R6.2 STM32.36 | length 400.7
  Top Layer w6: R6.2 1024,1356 1149,1356 1170,1335 v1(1170,1245) ; v1@1175,1179.49 STM32.36
  Bottom Layer w6: v1(1170,1245) 1175,1240 v1(1175,1174) v1@1175,1170
LED_R: R7.2 STM32.35 | length 287.9
  Top Layer w6: v1(1215,1255) 1215,1355 R7.2 ; STM32.35 1250.8,1159.8 v1(1265,1174)
  Bottom Layer w6: v1(1215,1255) 1265,1205 v1(1265,1174)
NetC3_1: C3.1 RT.4 | length 49.1
  Bottom Layer w6: C3.1 340,30 RT.4
NetCAMERA_18: CAMERA.18
NetD1_1: D1.1 R1.1 | length 45
  Top Layer w6: D1.1 R1.1
NetD2_1: D2.1 R5.1 | length 123.3
  Top Layer w6: R5.1 970,1460 1048,1460 D2.1
NetD2_3: D2.3 R6.1 | length 79.9
  Top Layer w6: R6.1 1048,1392 D2.3
NetD2_4: D2.4 R7.1 | length 79.9
  Top Layer w6: D2.4 1192,1392 R7.1
NetFFCSPI_1: FFCSPI.1 R17.2 | length 30
  Top Layer w10: R17.2 FFCSPI.1@820,240
NetMPU_12: MPU.12
NetR4_2: R4.2 STM32.143 | length 70.4
  Top Layer w6: STM32.143 1124.8,390.2 1150,365 R4.2
NetR9_1: R9.1 R11.2 USB.3 | length 122.1
  Top Layer w10: R11.2@404,265 R11.2 420,270 ; USB.3 420,270 ; R9.1 420,270
NetR10_2: R10.2 USB.2 | length 77.2
  Top Layer w10: R10.2@378.41,265.59 394.41,249.59 USB.2
NetSTM32_27: STM32.27
NetSTM32_28: STM32.28
NetSTM32_29: STM32.29
NetSTM32_41: STM32.41
NetSTM32_44: STM32.44
NetSTM32_45: STM32.45
NetSTM32_46: STM32.46
NetSTM32_47: STM32.47
NetSTM32_69: STM32.69
NetSTM32_70: STM32.70
NetSTM32_81: STM32.81
NetSTM32_82: STM32.82
NetSTM32_87: STM32.87
NetSTM32_88: STM32.88
NetSTM32_91: STM32.91
NetSTM32_122: STM32.122
NRST: R2.2 STM32.25 | length 108.1
  Top Layer w6: v1@1155,895 v1(1155,900) 1155,920.48 1197.47,962.95 STM32.25
REG: C23.2 MPU.10 | length 38.6
  Top Layer w8: MPU.10 C23.2@408.62,1417.87
SD_CK: SD.5 STM32.113 | length 897.5
  Top Layer w6: STM32.113 534.25,308.75 v1@561,282
  Bottom Layer w6: v1(555,276) 576,255 915,255 979,319 979,544 1014.76,579.76 SD.5
SD_CMD: R14.2 SD.3 STM32.116 | length 855.1
  Top Layer w6: v1@593.31,276 STM32.116
  Bottom Layer w6: v1@602,285 920,285 966,331 966,544 928.15,581.85 SD.3
  Bottom Layer w10: SD.3 R14.2
  other v1: 602,276
SD_D0: R15.2 SD.7 STM32.98 | length 842.6
  Top Layer w6: STM32.98 v1@464.64,687.36
  Bottom Layer w6: v1@466.64,680.36 496,651 714,651 782.39,719.39 1022.38,719.39 R15.2@1101.38,640.39
  Bottom Layer w10: SD.7 1101.38,640.39 R15.2
  other v1: 473.64,685.36
SD_D1: R16.2 SD.8 STM32.99 | length 878.5
  Top Layer w6: STM32.99 403.32,667.68 407,664 v1@505,664
  Bottom Layer w6: v1@505,664 710.03,664 777.42,731.39 1027.61,731.39 1090,669 1124.07,669 R16.2
  Bottom Layer w10: SD.8 R16.2
  other v1: 505,672.68
SD_D2: R12.2 SD.1 STM32.111 | length 917.1
  Top Layer w6: STM32.111 494.88,392.47 506,381.35 v1@506,300
  Bottom Layer w6: v1@497,309 899,309 938,348 938,487 841.53,583.47 SD.1
  Bottom Layer w10: SD.1 R12.2
  other v1: 497,300
SD_D3: R13.2 SD.2 STM32.112 | length 909.1
  Top Layer w6: STM32.112 514.57,392.47 519,388.04 v1@519,289.32
  Bottom Layer w6: v1@525,297 910,297 952,339 952,513 884.84,580.16 SD.2
  Bottom Layer w10: SD.2 R13.2
  other v1: 525,288
SDR_A0: ISSI.23 STM32.10 | length 921
  Top Layer w6: STM32.10@1220,668.68 1270.68,668.68 v1@1300,698
  Bottom Layer w6: ISSI.23 1118.47,1366.53 1172,1313 1277,1313 1298,1292 v1@1298,692
  other v1: 1307,692
SDR_A1: ISSI.24 STM32.11 | length 891.4
  Top Layer w6: STM32.11 1270.36,687.36 v1@1312,729
  Bottom Layer w6: ISSI.24 1149.96,1365.04 1190,1325 1281.97,1325 1310,1296.97 v1@1310,723
  other v1: 1319,723
SDR_A2: ISSI.25 STM32.12 | length 861.4
  Top Layer w6: STM32.12 1271.05,707.05 v1@1324,760
  Bottom Layer w6: ISSI.25 1181.46,1363.54 1208,1337 1286.94,1337 1322,1301.94 v1@1322,754
  other v1: 1331,754
SDR_A3: ISSI.26 STM32.13 | length 831.4
  Top Layer w6: STM32.13 1271.73,726.73 v1@1336,791
  Bottom Layer w6: ISSI.26 1212.95,1362.05 1226,1349 1291.91,1349 1334,1306.91 v1@1334,785
  other v1: 1343,785
SDR_A4: ISSI.29 STM32.14 | length 256.4
  Top Layer w6: STM32.14 1250,746.42 v1(1265,761.42)
  Bottom Layer w6: ISSI.29 1212.95,813.46 v1(1265,761.42)
SDR_A5: ISSI.30 STM32.15 | length 207.9
  Top Layer w6: v1@1176,778 1187.9,766.1 STM32.15
  Bottom Layer w6: v1@1181.46,786 ISSI.30
  other v1: 1176,777
SDR_A6: ISSI.31 STM32.50 | length 454.6
  Top Layer w6: STM32.50 888.58,1231.42 932.5,1187.5 988.5,1187.5 v1@1074,1102
  Bottom Layer w6: v1(1080,1108) 1149.96,1038.04 ISSI.31
SDR_A7: ISSI.32 STM32.53 | length 481.4
  Top Layer w6: STM32.53 829.53,1232.47 887,1175 983,1175 v1@1072,1086
  Bottom Layer w6: v1(1066,1079) 1118.47,1026.53 ISSI.32
SDR_A8: ISSI.33 STM32.54 | length 475.9
  Top Layer w6: STM32.54 809.84,1232.16 881.14,1160.86 978.14,1160.86 1044.25,1094.75 v1@1044.25,1053.13
  Bottom Layer w6: v1(1053,1051) 1086.97,1017.03 ISSI.33
SDR_A9: ISSI.34 STM32.55 | length 473
  Top Layer w6: STM32.55 790.16,1231.84 875.28,1146.72 972.28,1146.72 1032,1087 v1@1032,1023
  Bottom Layer w6: v1(1041,1023) 1055.47,1008.53 ISSI.34
SDR_A10: ISSI.22 STM32.56 | length 688.5
  Top Layer w6: STM32.56 770.47,1231.53 v1@838.5,1163.5
  Bottom Layer w6: v1(833.5,1158.5) 851,1176 851,1413 871,1433 1073,1433 1086.97,1419.03 ISSI.22 ISSI.22@1086.97,1361.97
SDR_A11: ISSI.35 STM32.57 | length 502.3
  Top Layer w6: STM32.57 750.79,1209.21 825.68,1134.32 963.68,1134.32 1019.98,1078.02 v1@1019.98,995
  Bottom Layer w6: ISSI.35 v1@1023.98,995
  other v1: 1028.98,995
SDR_BA0: ISSI.20 STM32.89 | length 1062.8
  Top Layer w6: STM32.89 439.53,864.53 519.14,944.14 930.14,944.14 v1(976,990)
  Bottom Layer w6: v1(976,990) 976,1051 1023.98,1098.98 ISSI.20
SDR_BA1: ISSI.21 STM32.90 | length 1101.4
  Top Layer w6: STM32.90 439.84,844.84 525,930 945.7,930 997,981.3 v1(997,1012)
  Bottom Layer w6: v1(997,1012) 997,1047 1055.47,1105.47 ISSI.21
SDR_CAS: ISSI.17 STM32.132 | length 996.8
  Top Layer w6: STM32.132 v1@908.27,863
  Bottom Layer w6: v1(899,863) 881.89,880.11 881.89,1276.89 929.49,1324.49 ISSI.17
SDR_CKE1: ISSI.37 STM32.135 | length 567.4
  Top Layer w6: v1(966.98,906) 925,864.02 925,479.85 967.32,437.53 STM32.135
  Bottom Layer w6: ISSI.37 960.98,912 v1(966.98,906)
SDR_CLK: ISSI.38 STM32.93 | length 640.4
  Top Layer w6: STM32.93 402.53,785.79 531.74,915 918,915 v1(924,909)
  Bottom Layer w6: v1@919,909 929.49,919.49 ISSI.38
SDR_NBL0: ISSI.15 STM32.141 | length 1218.4
  Top Layer w6: v1(1027,488) v1@1027,793 ; v1@1085.43,375 STM32.141
  Bottom Layer w6: ISSI.15 866.5,991.5 850,975 850,880 946,784 v1@1036,784 ; v1@1026,488 1026,429.43 1080.43,375 v1(1080.69,375)
  other v1: 1036,793
SDR_NBL1: ISSI.39 STM32.142 | length 761.9
  Top Layer w6: v1(977,817) 1006,788 v1(1006,510) ; v1@1083.5,341.5 1105.12,363.12 STM32.142
  Bottom Layer w6: ISSI.39 897.99,896.01 v1(977,817) ; v1(1006,510) 1006,419.73 v1@1083.37,342.37
  other v1: 1083,342
SDR_NE1: ISSI.19 STM32.136 | length 1021.7
  Top Layer w6: v1@959,867 v1(958,866) 942,850 942,483 987.01,437.99 STM32.136
  Bottom Layer w6: v1(958,866) 945,879 945,1045 992.48,1092.48 ISSI.19
SDR_RAS: ISSI.18 STM32.49 | length 254.6
  Top Layer w6: STM32.49 908.27,1231.73 929,1211 v1(956.98,1211)
  Bottom Layer w6: v1@960.98,1211 ISSI.18
SDR_WE: ISSI.16 STM32.26 | length 715
  Top Layer w6: v1@1175,982.64 STM32.26
  Bottom Layer w6: ISSI.16 897.99,1407.99 911,1421 1061.69,1421 1071.89,1410.79 1071.89,1148.11 1175,1045 v1(1175,990)
SWCLK: EXPAND.5 STM32.109 | length 329.6
  Top Layer w6: EXPAND.5 235,425 v1(260,400) ; STM32.109 455.51,382 v1(465.51,372)
  Bottom Layer w6: v1(260,400) 288,372 v1(465.51,372)
SWDIO: EXPAND.3 STM32.105 | length 301.3
  Top Layer w6: EXPAND.3 275,375 295,395 295,487.1 357.47,549.57 STM32.105
USB_DM: R10.1 STM32.103 | length 389
  Top Layer w6: R10.1 394,290 419,290 428,299 428,563.47 402.53,588.94 STM32.103
USB_DP: R11.1 STM32.104 | length 290.3
  Top Layer w6: STM32.104 402.53,569.25 416,555.78 416,317 R11.1
USB_ID: STM32.102 USB.4 | length 474.2
  Top Layer w6: STM32.102 402.53,608.62 440.51,570.64 440.51,363.49 470,334 470,245 445.59,220.59 USB.4
USB_VBUS: C1.2 C2.2 EXPAND.2 RT.1 RT.3 STM32.101 USB.1 | length 1008.1
  Top Layer w6: STM32.101 416.69,628.31 v1(445,600)
  Top Layer w12: v1(358.82,240) 368.82,230 USB.1
  Signal Layer 1 w6: v1(358.82,240) 358.82,513.82 v1(445,600) v1@450,605
  Bottom Layer w6: RT.3 495,56 495,80 RT.1
  Bottom Layer w12: EXPAND.2 EXPAND.2@225,325
  Bottom Layer w16: EXPAND.2@225,325 310,240 v1(358.82,240) 390,240 C1.2 ; C1.2@420,205 469,156 RT.1
VCAP1: C5.1 STM32.71 | length 68.2
  Top Layer w6: STM32.71 475.2,1295.2 C5.1@495,1315
VCAP2: C6.1 STM32.106 | length 148.8
  Top Layer w6: C6.1@330,415 330,502.41 357.47,529.88 STM32.106
XTAL1: C20.2 STM32.23 XT.2 | length 136
  Top Layer w10: STM32.23 1251.42,923.58 1290,885 XT.2@1310,885 ; C20.2 XT.2@1280,870
XTAL2: C21.2 STM32.24 XT.1 | length 152.3
  Top Layer w10: STM32.24 1248.27,943.27 1290,985 XT.1@1310,985 ; XT.1@1280,985 C21.2 C21.2@1280,1030
pads on no net: ISSI.36 ISSI.40 KEY.1 KEY.2 MPU.2 MPU.3 MPU.4 MPU.5 MPU.6 MPU.7 MPU.14 MPU.15 MPU.16 MPU.17 MPU.19 MPU.21

## Polygon pours and split planes (outlines as drawn)
no net on Keep-Out Layer "Keepout" (none, remove dead copper): 0,45 0,270 5,275 155,275 155,1225 5,1225 0,1230 0,1455 cw(c45,1455) 45,1500 1455,1500 cw(c1455,1455) 1500,1455 1500,45 cw(c1455,45) 1455,0 45,0 cw(c45,45)
GND on Top Layer "GND_L01_P003" (solid, remove dead copper, pour order 3): 0,45 0,270 5,275 155,275 155,1225 5,1225 0,1230 0,1455 cw(c45,1455) 45,1500 1455,1500 cw(c1455,1455) 1500,1455 1500,45 cw(c1455,45) 1455,0 45,0 cw(c45,45)
GND on Bottom Layer "GND_L04_P000" (solid, remove dead copper, pour order 0): 0,45 0,270 5,275 155,275 155,1225 5,1225 0,1230 0,1455 cw(c45,1455) 45,1500 1455,1500 cw(c1455,1455) 1500,1455 1500,45 cw(c1455,45) 1455,0 45,0 cw(c45,45)
3V3 on Signal Layer 1 "3V3_L02_P001" (solid, remove dead copper, pour order 1): 0,45 0,270 5,275 155,275 155,1225 5,1225 0,1230 0,1455 cw(c45,1455) 45,1500 1455,1500 cw(c1455,1455) 1500,1455 1500,45 cw(c1455,45) 1455,0 45,0 cw(c45,45)
GND on Signal Layer 2 "GND_L03_P002" (solid, remove dead copper, pour order 2): 0,45 0,270 5,275 155,275 155,1225 5,1225 0,1230 0,1455 cw(c45,1455) 45,1500 1455,1500 cw(c1455,1455) 1500,1455 1500,45 cw(c1455,45) 1455,0 45,0 cw(c45,45)

## Silkscreen, mask and mechanical layers (free items; w line width, h text height)
Top Overlay:
  circle w16: c275,325 r8
  circle w10: c1450,1225 r25
  circle w10: c365,1265 r30
  circle w10: c365,1265 r5
  region: 285.28,524.96 265.28,504.96 265.28,544.96
  region: 265.28,574.96 285.28,594.96 285.28,554.96
  lines w6: 265.28,504.96 265.28,544.96 285.28,524.96 265.28,504.96 ; 265.28,574.96 285.28,554.96 285.28,594.96 265.28,574.96
  lines w10: 305,1240 280,1265 ; 305,1290 280,1265 ; 335,1265 280,1265
  text "Y" at 206,1288 h100 r270
  text "QCopterMV" at 1305,735 h120 r270
  text "v2.0" at 1265,330 h50 r270
Bottom Overlay:
  circle w10: c1450,1225 r25
  lines w6: 270,230 270,910 490,910 490,230 270,230
  text "KitSprout" at 1305,280 h160 r270
  text "VIN" at 245,265 h60
  text "GND / WR / RS / D1 / D3 / D5 / D7 / D9 / D11 / D13 / D15 / RST / TX / RX / GND / SWC / SWD / 3V3" at 380,220 h56
  text "3V3 / RD / CD / D0 / D2 / D4 / D6 / D8 / D10 / D12 / D14 / LIG / A15 / G12 / G13 / B3 / B4 / VIN" at 480,220 h56
Mechanical 1:
  the board outline again, w2

## Dimensions
0,1455 to 1500,1455 on Mechanical 2
1455,1500 to 1455,0 on Mechanical 2